# KiCad board JBX16SMD.kicad_pcb (continued)
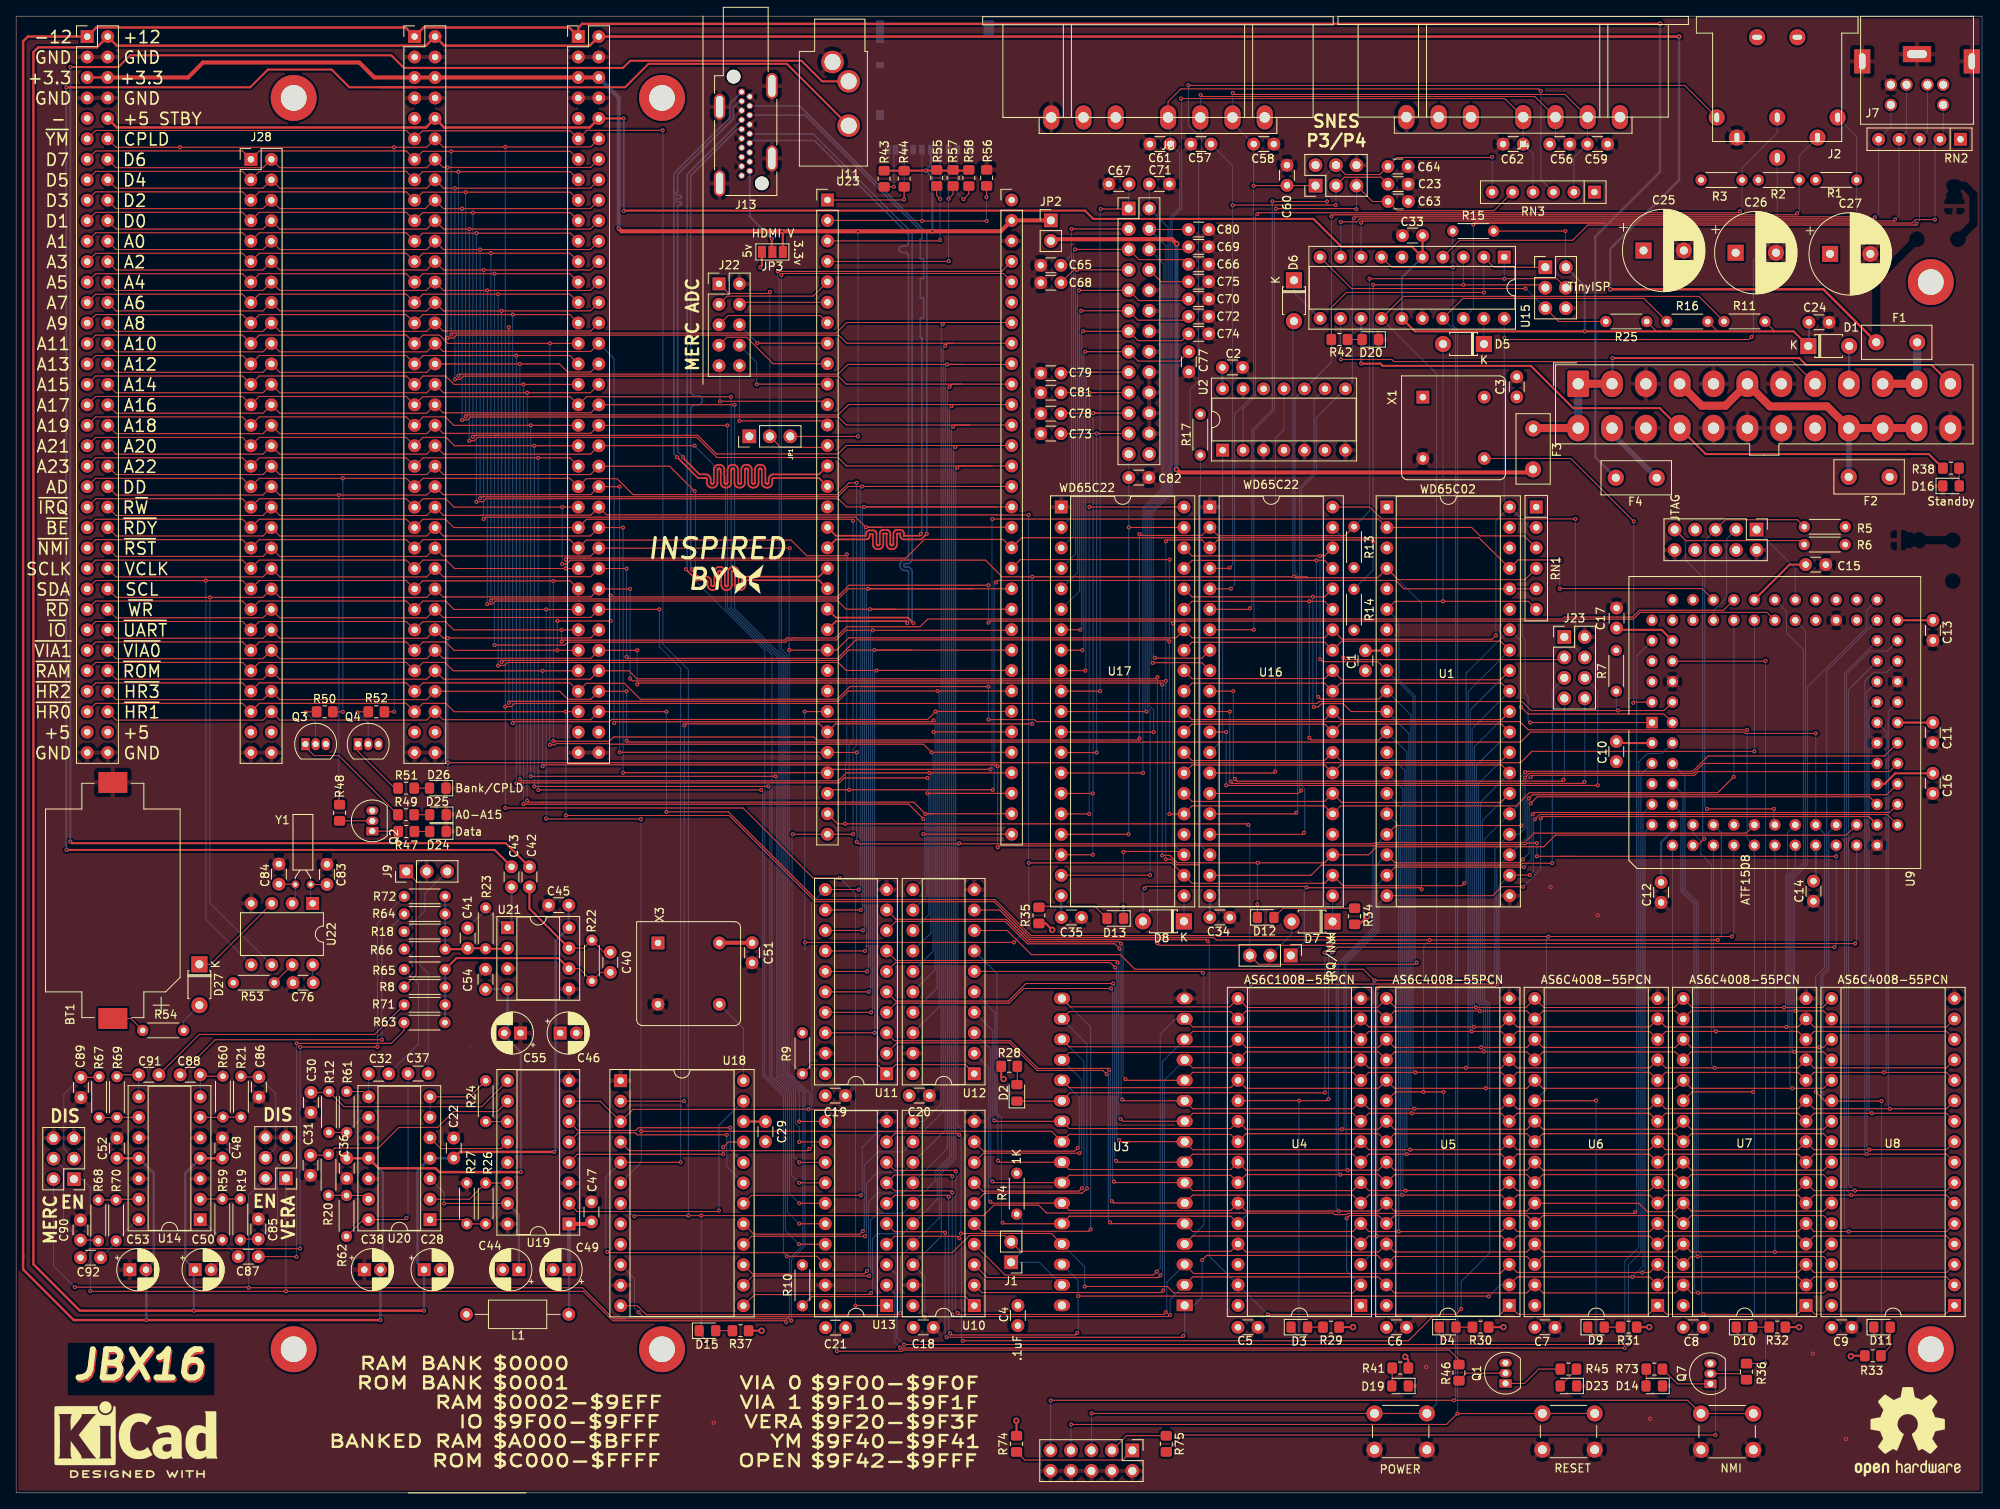
[diagram p0: board, top side]
## Routing (per net, layer and track width the routed paths; a pad name or vN(x,y) marks a point on that pad's centre or on a via; arc(x,y) is an arc through that point) (continued)
HIRA1: length 295
  Top w0.127: v1(196.1,48.71) 196.07,48.68 U6.22 ; D9.1 195.07,20.34 ; 195.07,20.34 195.07,20.64 ; 195.07,20.34 v1(196.1,19.31) ; 190.66,69.08 149.16,69.08 149.05,69.19 125.96,69.19 121.49,73.65 99.3,73.65 88.4,84.56 v1(80.72,84.56) ; 190.66,69.08 v1(190.19,69.08) ; 190.66,69.08 212.93,69.08 v1(212.95,69.1) ; v1(80.72,96.99) J21.68 71.33,95.99 52.99,95.99 J12.68 50.96,95.94 32.72,95.94 J28.56 30.64,95.94 12.41,95.94 J20.68
  Bottom w0.127: v1(212.95,69.1) 213.21,69.36 U9.18 ; v1(196.1,19.31) v1(196.1,48.71) ; v1(190.19,69.08) 189.93,68.82 189.93,50.1 U6.22 ; v1(80.72,96.99) v1(80.72,84.56)
HIRA2: length 303
  Top w0.127: v1(215.6,49.79) 208.03,49.79 U7.22 ; v1(120.69,100.1) 103.48,100.1 101.92,98.53 77.49,98.53 75.51,100.52 70.77,100.52 J21.65 68.74,100.57 50.5,100.57 J12.65 48.42,100.57 30.18,100.57 J28.53 28.1,100.57 9.87,100.57 J20.65 ; v1(214.26,19.18) 213.49,19.95 213.49,20.58 ; v1(214.86,94.73) 187.68,94.73 186.66,95.76 126.63,95.76 126.38,96 v1(120.69,96)
  Bottom w0.127: v1(214.26,19.18) 215.75,20.67 215.75,50.19 ; 215.75,50.19 215.75,49.94 v1(215.6,49.79) ; 215.75,50.19 215.75,80.39 U9.20 214.85,81.3 214.85,94.73 v1(214.86,94.73) ; v1(120.69,96) v1(120.69,100.1)
HIRA3: length 307.4
  Top w0.127: v1(223.38,49.79) 224.49,48.68 U8.22 225.38,48.65 v1(231.54,48.65) ; v1(75.77,93.39) 75.95,93.22 186.76,93.22 187.99,94.45 214.49,94.45 214.64,94.29 223.37,94.29 v1(223.37,94.3) ; v1(75.77,99.53) J21.66 71.33,98.53 68.45,98.53 67.46,99.53 J12.66 50.96,98.48 32.72,98.48 J28.54 30.64,98.48 12.41,98.48 J20.66 ; D11.1 230.57,19.76 v1(231.54,18.8)
  Bottom w0.127: v1(223.38,49.79) 223.36,49.81 223.36,64.14 224.45,65.24 224.45,81.86 U9.27 v1(223.37,94.3) ; v1(231.54,18.8) v1(231.54,48.65) ; v1(75.77,93.39) v1(75.77,99.53)
iecATN: length 103.7
  Top w0.127: v1(213.95,159.12) 213.76,158.93 154.21,158.93 v1(154.05,158.77)
  Bottom w0.127: v1(213.95,159.12) 214.22,159.39 R3.2 214.22,164.5 218.59,168.87 J2.3 ; U2.2 152.29,134.6 153.84,136.15 153.84,158.57 v1(154.05,158.77)
IECATTO: length 38.2
  Bottom w0.127: U2.1 149.75,93.51 U16.13
IECCLKI: length 155.3
  Top w0.127: v1(163.26,158.49) 163.45,158.68 220.88,158.68 v1(221.07,158.86) ; v1(158.9,84.45) 158.75,84.3 U16.16
  Bottom w0.127: v1(163.26,158.49) 163.26,140.42 U2.10 158.73,135.89 158.73,114.33 159.06,114 159.06,84.61 v1(158.9,84.45) ; v1(221.07,158.86) 221.32,159.12 221.32,162.99 R2.2 221.32,166 J2.4
IECCLKO: length 56.2
  Top w0.127: v1(156.28,89.55) 156.11,89.38 148.17,89.38 U16.14
  Bottom w0.127: U2.11 157.37,132 156.31,130.94 156.31,89.58 v1(156.28,89.55)
IECDATI: length 166.5
  Top w0.127: v1(166.05,158.24) 166.24,158.42 227.96,158.42 v1(228.14,158.6) ; v1(159.85,81.96) 159.65,81.76 148.17,81.76 U16.17
  Bottom w0.127: v1(228.14,158.6) 228.45,158.91 R1.2 228.45,168.4 J2.5 ; v1(159.85,81.96) 159.94,82.05 159.94,87.4 159.57,87.77 159.57,124.74 161.41,126.58 161.41,127.77 161.37,127.81 161.37,133.44 U2.8 165.85,137.93 165.85,158.03 v1(166.05,158.24)
IECDATO: length 62.7
  Top w0.127: U16.15 159.15,86.84 v1(159.5,87.2)
  Bottom w0.127: U2.9 161.11,135.73 161.11,126.64 159.32,124.85 159.32,87.38 v1(159.5,87.2)
IECSRQ: length 165
  Top w0.127: J2.1 207.1,174.75 v1(145.51,174.75)
  Bottom w0.127: U16.18 146.98,80.4 R17.2 145.71,130.11 145.71,136.95 146.78,138.02 146.78,165.09 147.13,165.45 147.13,168.14 145.51,169.77 v1(145.51,174.75)
IOEN: length 213.2
  Top w0.127: J20.59 9.87,108.19 28.1,108.19 J28.47 30.18,108.19 48.42,108.19 J12.59 50.47,108.16 53.3,108.16 54.32,107.15 J21.59 ; U9.68 211.91,109.58 201.48,109.58 200.64,108.74 198.73,108.74 198.72,108.74 192.17,108.74 191.92,108.49 187.02,108.49 ; 187.02,108.49 113.15,108.49 112.19,107.53 103.07,107.53 101.67,106.14 95.67,106.14 95.4,105.87 67.87,105.87 v1(67.7,105.7) ; 187.02,108.49 186.45,108.49
  Bottom w0.127: v1(67.7,105.7) v1(67.7,107.14)
IRQ: length 435.3
  Top w0.127: v1(174.46,74.94) 174.27,75.13 160.21,75.13 v1(160.17,75.17) 160.04,75.3 140.3,75.3 v1(140.06,75.05) ; U18.2 75.04,48.63 v1(82.92,48.63) ; J20.47 9.87,123.43 28.1,123.43 J28.35 30.18,123.43 48.42,123.43 J12.47 50.5,123.43 53.32,123.43 54.36,122.39 v1(67.79,122.39) J21.47 ; 160.33,113.61 168.97,113.61 U1.4 171.55,113.37 187.27,113.37 RN1.4 ; 160.33,113.61 158.82,113.61 v1(158.62,113.81) ; 160.33,113.61 160.21,113.73 v1(126.13,113.73) 122.38,113.73 120.31,115.8 68.81,115.8 68.33,115.32 v1(67.78,115.32) ; v1(126.12,95.48) 101.71,95.48 U23.27 99.7,95.48 83.13,95.48 v1(82.95,95.29)
  Bottom w0.127: v1(82.95,95.29) 82.94,95.28 82.94,71.13 82.92,71.12 v1(82.92,48.63) ; 159.89,69.02 159.89,69.85 ; 159.89,69.85 159.89,68.41 J6.1 ; 159.89,69.85 159.89,74.89 v1(160.17,75.17) ; D8.2 139.86,74.86 v1(140.06,75.05) ; D6.2 158.48,145.34 158.48,113.96 v1(158.62,113.81) ; v1(126.12,95.48) 126.12,95.79 126.12,95.79 126.12,113.73 v1(126.13,113.73) ; v1(67.79,122.39) 67.78,122.38 v1(67.78,115.32) ; v1(174.46,74.94) 174.46,110.46 U1.4
KBCLK: length 100.8
  Top w0.127: 197.24,157.66 181.06,157.66 v1(180.88,157.47) ; 197.24,157.66 235.33,157.66 235.75,158.08 v1(238.16,158.08) ; 197.24,157.66 180.87,157.66
  Bottom w0.127: J7.6 239.19,168.45 RN2.2 238.16,167.42 v1(238.16,158.08) ; v1(180.88,157.47) 180.88,147.06 U15.18
KBDAT: length 78.3
  Top w0.127: v1(235.86,157.57) 235.69,157.4 195.09,157.4 193.2,155.51 179.17,155.51 U15.4
  Bottom w0.127: v1(235.86,157.57) 236.25,157.96 RN2.3 237.24,169.04 J7.2
MERC_L: length 13.8
  Top w0.127: R67.2 10.21,51.59 C89.1
  Bottom w0.127: C89.1 5.91,49.46 5.91,42.77 J10.3
MERC_R: length 13.7
  Top w0.127: R68.2 10.1,31.39 C90.1
  Bottom w0.127: J10.4 5.88,40.25 5.88,33.5 C90.1
MSCLK: length 85.7
  Top w0.127: v1(230.7,158.35) 230.52,158.16 181.45,158.16 181.44,158.17 166.78,158.17 166.41,157.8 164.43,157.8 v1(164.42,157.8)
  Bottom w0.127: J7.5 232.69,169.57 RN2.5 231.17,158.82 v1(230.7,158.35) ; U15.9 164.42,153.46 v1(164.42,157.8)
MSDAT: length 88
  Top w0.127: v1(166.94,157.7) 167.15,157.91 181.34,157.91 181.34,157.91 233.01,157.91 v1(233.2,158.1)
  Bottom w0.127: v1(166.94,157.7) 166.94,153.44 U15.8 ; v1(233.2,158.1) 233.71,158.61 RN2.4 234.64,168.98 J7.1
NDESDAT0: length 139.9
  Top w0.127: v1(141.07,103.05) 141.09,103.07 147.17,103.07 U16.9 ; v1(189.25,174.06) 189,174.31 144.57,174.31 142.98,172.72 J8.4
  Bottom w0.127: v1(141.07,103.05) 140.88,103.23 140.88,121.89 143.23,124.24 143.23,158.38 144.41,159.56 144.41,166.26 C61.1 143.22,170.53 J8.4 143.23,170.52 ; v1(189.25,174.06) 189.25,163.05 RN3.3
NDESDAT1: length 131.5
  Top w0.127: U16.8 147.17,103.63 141.37,103.63 v1(141.32,103.68) ; v1(144.58,173.11) 184.76,173.11 J4.4
  Bottom w0.127: v1(141.32,103.68) 141.32,103.72 141.14,103.9 141.14,121.78 143.48,124.13 143.48,158.27 144.67,159.45 144.67,173.02 v1(144.58,173.11) ; J4.4 187.06,170.8 C62.1 188.27,166.24 RN3.4
NDESDAT2: length 93.5
  Top w0.127: U16.7 153.6,107.16 v1(153.61,107.17) ; RN3.5 183.43,159.18 171.44,159.18 C63.1 168.34,160.33 J18.5 ; v1(156.36,159.45) 166.28,159.45 v1(166.36,159.37)
  Bottom w0.127: v1(156.36,159.45) 156.17,159.26 156.17,134.45 153.63,131.91 153.63,107.19 v1(153.61,107.17) ; J18.5 166.36,159.38 v1(166.36,159.37)
NDESDAT3: length 93.7
  Top w0.127: U16.6 153,109.7 v1(153.13,109.83) ; v1(162.72,160.33) 155.93,160.33 v1(155.92,160.34) ; v1(183.21,165.87) 183.14,165.8 171.39,165.8 C64.1 169.27,163.68 164.99,163.68 J18.4
  Bottom w0.127: v1(153.13,109.83) 153.38,110.08 153.38,132.02 155.92,134.56 v1(155.92,160.34) ; J18.4 163.82,164.84 162.68,163.69 162.68,160.37 v1(162.72,160.33) ; v1(183.21,165.87) 183.21,161.51 RN3.6
NESCLK: length 129.5
  Top w0.127: v1(151.01,173.8) 151.2,173.62 192.26,173.62 J4.2 ; v1(153.59,162.29) 153.6,162.3 J18.1 ; v1(150.77,112.26) 150.75,112.24 U16.5
  Bottom w0.127: v1(150.77,112.26) 151.24,112.73 151.24,133.93 153.59,136.28 v1(153.59,162.29) 153.61,162.31 C58.1 150.98,170.08 J8.2 151.01,170.8 v1(151.01,173.8) ; RN3.2 193.35,165.77 C59.1 195.04,170.78 J4.2
NESLATCH: length 134.4
  Top w0.127: U16.4 150.55,114.78 v1(150.62,114.86) ; C23.1 169.42,163.34 164.86,163.34 J18.3 ; J4.3 188.51,173.36 147.21,173.36 v1(147.01,173.56) ; v1(150.99,159.86) 151.02,159.89 v1(163.81,159.89)
  Bottom w0.127: J4.3 191.06,168.17 C56.1 ; v1(163.81,159.89) 163.82,159.9 J18.3 ; v1(147.01,173.56) 147.01,170.8 J8.3 146.98,168.79 C57.1 150.99,164.78 v1(150.99,159.86) 150.99,115.22 v1(150.62,114.86)
NMI: length 319.3
  Top w0.127: J6.3 154.22,65.63 155.58,65.63 ; 155.58,65.63 173.62,65.63 v1(173.83,65.83) ; 155.58,65.63 155.07,65.63 ; v1(152.95,82.94) 152.84,83.06 v1(102.9,83.06) 101.96,83.06 U23.31 ; 188.67,109.6 188.68,109.6 ; v1(103.11,116.51) 102.96,116.51 102.8,116.35 98.14,116.35 96.19,118.3 70.77,118.3 J21.51 68.74,118.35 50.5,118.35 J12.51 48.42,118.35 30.18,118.35 J28.39 28.1,118.35 9.87,118.35 J20.51 ; U1.6 171.13,110.69 v1(177.12,110.69) 187.69,110.69 RN1.6
  Bottom w0.127: J6.3 153.13,82.77 v1(152.95,82.94) ; U1.6 171.62,108.22 171.62,100.96 173.64,98.94 173.64,66.02 v1(173.83,65.83) ; v1(102.9,83.06) 102.94,83.1 102.94,90.65 103.11,90.81 v1(103.11,116.51) ; v1(177.12,110.69) 177.11,110.7 D5.2
NMIBTN: length 259.8
  Top w0.127: U15.17 179.58,148.3 202.02,148.3 R16.1 ; SW3.1 SW3.1 207.47,11.5 v1(178.48,11.5) 128.44,11.5 v1(128.41,11.47)
  Bottom w0.127: v1(178.48,11.5) 178.67,11.69 178.67,20.74 ; 178.67,20.74 178.67,144.23 U15.17 ; 178.67,20.74 178.67,20.1 ; J15.9 128.41,5.3 v1(128.41,11.47)
PWRBTN: length 230.4
  Top w0.127: v1(133.49,9.87) 133.5,9.87 SW1.1 SW1.1 ; U15.14 172.21,148.55 208.87,148.55 R11.1
  Bottom w0.127: v1(133.49,9.87) 133.49,5.3 J15.5 ; U15.14 176.31,138.97 176.31,11.07 SW1.1
PWROK: length 65.3
  Top w0.127: v1(164.42,140.72) 170.74,140.72 171.01,140.45 220.53,140.45 J19.8 ; U15.12 164.39,145.77
  Bottom w0.127: U15.12 164.42,145.78 v1(164.42,140.72)
PWRON: length 83.2
  Top w0.254: R38.1 237.4,128.97 209.71,128.97 J19.16 204.01,134.67 193.26,134.67 188.02,139.92 169.62,139.92 169.34,140.2 166.97,140.2 v1(166.96,140.21)
  Bottom w0.254: U15.13 166.96,145.78 v1(166.96,140.21)
RAEN: length 385.8
  Top w0.127: v1(225.91,79.04) 193.43,79.04 ; 193.43,79.04 191.67,79.04 ; 193.43,79.04 v1(188.75,79.04) ; v1(162.89,48.91) 162.68,48.69 v1(159.25,48.69) 151.68,48.69 U4.22 ; v1(121.83,80.14) 122.02,80.33 168.62,80.33 168.77,80.48 187.34,80.48 187.54,80.68 v1(188.75,80.68) ; v1(225.68,67.75) 225.67,67.74 164,67.74 v1(163.36,67.11) ; D3.1 158.24,20.34 v1(159.21,19.37) ; J21.63 v1(65.35,102.07) 54.27,102.07 53.23,103.11 50.5,103.11 J12.63 48.42,103.11 30.18,103.11 J28.51 28.1,103.11 9.87,103.11 J20.63 ; v1(121.82,90.21) 121.65,90.39 65.52,90.39 v1(65.35,90.21)
  Bottom w0.127: v1(159.21,19.37) 159.21,48.65 v1(159.25,48.69) ; v1(65.35,102.07) v1(65.35,90.21) ; v1(121.82,90.21) 121.83,90.2 v1(121.83,80.14) ; v1(163.36,67.11) 162.89,66.64 v1(162.89,48.91) ; U9.28 v1(225.91,79.04) 225.91,67.98 v1(225.68,67.75) ; v1(188.75,79.04) v1(188.75,80.68)
RD#: length 340.4
  Top w0.127: v1(65.78,83.71) 65.83,83.66 77.55,83.66 v1(77.56,83.65) ; v1(77.59,44.89) 128.51,44.89 129.8,43.6 U3.24 130.71,44.51 150.76,44.51 U4.24 152.66,44.59 169.1,44.59 U5.24 171.08,44.59 187.52,44.59 U6.24 189.5,44.59 205.94,44.59 U7.24 207.92,44.59 224.36,44.59 U8.24 ; J20.57 9.87,110.73 28.1,110.73 J28.45 30.18,110.73 48.42,110.73 J12.57 50.5,110.73 53.31,110.73 54.36,109.69 v1(65.8,109.69) J21.57
  Bottom w0.127: U18.6 77.59,41.03 77.59,44.89 v1(77.59,44.89) 77.56,44.93 v1(77.56,83.65) ; v1(65.78,83.71) 65.8,83.74 v1(65.8,109.69) ; U9.29 224.99,82.01 224.99,64.93 224.27,64.21 224.27,44.67 U8.24
RDY: length 242.9
  Top w0.127: v1(75.33,119.84) 75.33,119.85 J21.50 71.28,118.8 53.04,118.8 J12.50 50.96,118.8 32.72,118.8 J28.38 30.64,118.8 12.41,118.8 J20.50 ; v1(120.94,89.83) 101.14,89.83 U23.29 100.69,89.41 v1(75.34,89.41) ; RN1.3 187.19,118.81 181.7,118.81 180.66,119.86 U1.2 169.09,120.91 v1(121.17,120.91)
  Bottom w0.127: v1(75.34,89.41) 75.33,89.42 v1(75.33,119.84) ; v1(121.17,120.91) 121.13,120.86 121.13,90.02 v1(120.94,89.83)
ROEN: length 323.1
  Top w0.127: J20.64 12.41,101.02 30.64,101.02 J28.52 32.72,101.02 50.96,101.02 J12.64 53.04,101.02 71.28,101.02 J21.64 76.06,102.07 77.06,101.07 141.47,101.07 v1(141.66,101.25) ; v1(162.45,49.71) 162.41,49.67 130.79,49.67 U3.22 129.76,48.64 D2.1 ; 163.52,68.2 v1(162.41,67.08) ; 163.52,68.2 228.26,68.2 v1(228.26,68.2) ; 163.52,68.2 163.31,67.99 141.91,67.99 v1(141.66,68.24)
  Bottom w0.127: v1(162.45,49.71) 162.45,67.04 v1(162.41,67.08) ; v1(228.26,68.2) 228.45,68.39 U9.30 ; v1(141.66,101.25) v1(141.66,68.24)
RST: length 534.6
  Top w0.127: v1(101.61,47.63) 101.61,47.62 v1(98.34,47.62) 76.55,47.62 U18.3 72.5,48.63 U19.7 ; U9.1 v1(187.91,95.64) ; v1(101.87,17.59) 109.92,17.59 110.06,17.73 177.89,17.73 179.08,16.53 R46.1 ; v1(184.71,143.41) 184.93,143.19 215.09,143.19 v1(215.41,143.52) ; v1(95.96,104.64) U23.23 101.84,104.64 103.35,106.15 143.95,106.15 U17.34 145.95,106.17 162.41,106.17 U16.34 164.57,105.99 183.19,105.99 v1(183.66,106.47) ; J20.52 12.41,116.26 30.64,116.26 J28.40 32.72,116.26 50.96,116.26 J12.52 52.99,116.31 71.33,116.31 J21.52 72.34,117.29 v1(96.02,117.29)
  Bottom w0.127: v1(183.66,106.47) 183.66,120.68 U1.40 ; J2.6 218.59,156.07 215.63,153.12 215.63,143.74 v1(215.41,143.52) ; 95.96,104.94 v1(95.96,104.64) 95.96,52.12 98.53,49.55 98.53,47.81 v1(98.34,47.62) ; 95.96,104.94 95.96,105.24 ; 95.96,104.94 95.96,104.95 ; v1(101.61,47.63) 101.68,47.57 101.68,17.79 v1(101.87,17.59) ; v1(96.02,117.29) 95.96,117.23 95.96,104.95 ; U1.40 187.92,119.86 RN1.2 ; U1.40 184.71,123.07 184.71,143.58 ; U1.40 186.93,120.85 186.93,106.33 187.29,105.96 187.29,99.27 187.67,98.9 187.67,95.89 v1(187.91,95.64) ; 184.71,143.58 184.71,143.42 v1(184.71,143.41) ; 184.71,143.58 U15.20 ; 95.96,104.95 95.96,105.44
RSTBTN: length 225.2
  Top w0.127: SW2.1 SW2.1 189.42,9.85 v1(178.89,9.85) 177.55,8.5 v1(130.95,8.5) ; U15.7 170.73,152.16 v1(178.32,152.16)
  Bottom w0.127: v1(130.95,8.5) 130.93,8.48 J15.7 ; R15.1 v1(178.32,152.16) 178.32,144.93 178.92,144.33 178.92,9.88 v1(178.89,9.85)
RWB: length 350.1
  Top w0.127: J20.48 12.41,121.34 30.64,121.34 J28.36 32.72,121.34 50.96,121.34 J12.48 53.03,121.36 57.83,121.36 57.86,121.39 71.33,121.39 J21.48 73.28,121.43 121.66,121.43 121.67,121.41 v1(125.68,121.41) ; v1(179.75,75.69) 179.45,75.39 164.7,75.39 U16.22 162.41,75.68 145.96,75.68 U17.22 143.42,78.22 v1(125.69,78.22) ; v1(97.92,68.33) 97.94,68.35 v1(123.84,68.35) ; U9.2 204.53,96.7 187.66,96.7 v1(186.79,97.57) ; v1(97.88,97) 100.68,97 U23.26
  Bottom w0.127: v1(123.84,68.35) 125.69,70.19 v1(125.69,78.22) 125.66,78.25 125.66,121.4 v1(125.68,121.41) ; v1(97.92,68.33) 97.9,68.31 97.9,67.46 97.88,67.48 v1(97.88,97) ; v1(179.75,75.69) 179.97,75.91 179.97,101.75 U1.34 186.79,105.75 v1(186.79,97.57)
RXB: length 0.1
  Bottom w0.127: 56.43,55.41 56.33,55.31
SCL: length 329
  Top w0.127: v1(76.21,101.1) 76.5,100.81 v1(142.7,100.81) ; v1(142.7,78.66) 143.34,78.66 144.03,77.98 146.87,77.98 ; v1(76.21,112.23) 76.21,112.23 J21.56 71.33,111.23 52.99,111.23 J12.56 50.96,111.18 32.72,111.18 J28.44 30.64,111.18 v1(24.06,111.18) 12.41,111.18 J20.56 ; v1(168.43,118.09) 168.2,118.31 149.15,118.31 U16.3 147.17,118.31 142.87,118.31 v1(142.7,118.14) ; J5.3 189.46,149.98 v1(179.64,149.98) v1(168.43,149.98)
  Bottom w0.127: v1(76.21,101.1) v1(76.21,112.23) ; 142.7,100.16 v1(142.7,100.81) ; 142.7,100.16 v1(142.7,118.14) ; 142.7,100.16 142.7,78.66 v1(142.7,78.66) ; v1(24.06,111.18) 24.06,73.23 U22.6 ; U15.3 179.63,150 v1(179.64,149.98) ; v1(168.43,149.98) v1(168.43,118.09) 168.43,114.56 R14.1
sCLK: length 215.2
  Top w0.127: v1(191.6,112.27) 209.28,112.27 U9.70 ; J20.53 9.87,115.81 28.1,115.81 J28.41 30.18,115.81 48.42,115.81 J12.53 50.5,115.81 53.37,115.81 54.41,114.77 v1(68.22,114.77) J21.53 ; v1(191.6,115.77) 191.54,115.83 186.43,115.83 U1.37 181.57,118.59 124.81,118.59 U23.47 122.52,118.38 112.75,118.38 110.43,116.06 70.51,116.06 70.51,116.06 68.41,116.06 v1(68.23,115.87)
  Bottom w0.127: v1(68.22,114.77) 68.22,115.87 v1(68.23,115.87) ; v1(191.6,112.27) v1(191.6,115.77)
SD_MISO: length 17.3
  Top w0.127: R44.2 v1(110.23,160.57) 110.17,160.52 U23.1
  Bottom w0.127: J16.7 110.23,166.76 v1(110.23,160.57)
SD_MOSI: length 27.1
  Top w0.127: R55.2 114.26,161.08 v1(114.7,160.65) ; v1(114.7,155.54) 114.59,155.44 U23.3
  Bottom w0.127: J16.3 114.7,166.71 v1(114.7,160.65) v1(114.7,155.54)
SD_SCK: length 33
  Top w0.127: U23.2 112.36,157.98 v1(112.44,157.9) v1(120.46,157.9) ; v1(120.44,160.85) 120.46,160.88 R56.1
  Bottom w0.127: v1(112.44,157.9) J16.5 ; v1(120.46,157.9) 120.44,157.93 v1(120.44,160.85)
SD_SSEL: length 30.7
  Top w0.127: v1(115.74,152.93) 115.71,152.9 U23.4 ; v1(115.74,160.67) 116.3,161.23 R57.2
  Bottom w0.127: v1(115.74,152.93) v1(115.74,160.67) 115.74,166.76 J16.2
SDA: length 319.1
  Top w0.127: U16.2 149.18,118.84 164.94,118.84 R13.1 ; U16.2 148.18,119.88 ; U16.2 147.17,118.87 139.58,118.87 v1(139.43,119.03) ; J21.55 68.77,113.23 50.47,113.23 J12.55 48.42,113.27 30.18,113.27 J28.43 28.1,113.27 v1(23.52,113.27) 9.87,113.27 J20.55 ; v1(66.69,93.32) 73.63,93.32 74.15,93.85 99,93.85 99.38,93.47 139.24,93.47 v1(139.43,93.66) ; J5.4 191.24,150.74 v1(184.72,150.74) v1(167.98,150.74)
  Bottom w0.127: R13.1 167.98,121.89 v1(167.98,150.74) ; v1(23.52,113.27) 23.56,113.23 23.56,71.19 U22.5 ; U15.1 184.71,150.76 v1(184.72,150.74) ; v1(66.69,113.22) v1(66.69,93.32) ; v1(139.43,119.03) v1(139.43,93.66)
SRLEN: length 260.6
  Top w0.127: 62.61,90.65 186.73,90.65 188.14,92.06 215.75,92.06 v1(215.75,92.07) ; 62.61,90.65 62.22,90.65 62.19,90.68 ; 62.61,90.65 v1(53.61,90.65) ; J21.60 71.31,106.14 v1(53.59,106.14) 53.01,106.14 J12.60 50.96,106.1 32.72,106.1 J28.48 30.64,106.1 12.41,106.1 J20.60
  Bottom w0.127: 53.59,91.46 v1(53.59,106.14) ; 53.59,91.46 53.59,90.67 v1(53.61,90.65) 53.59,90.63 53.59,89.99 53.59,91.46 ; U9.67 215.75,92.07 v1(215.75,92.07)
TCK: length 10.7
  Bottom w0.127: J3.1 220.83,114.79 U9.62
TDI: length 58.5
  Top w0.127: U9.14 208.72,80.4 v1(209.54,81.22) ; R6.2 221.46,118.23 207.23,118.23 J3.9
  Bottom w0.127: J3.9 207.18,118.28 207.18,115.83 209.34,113.67 209.34,81.42 v1(209.54,81.22)
TDO: length 12.4
  Bottom w0.127: U9.71 210.67,109.54 212.31,111.19 212.31,118.43 J3.3
TMS: length 57.6
  Top w0.127: v1(209.87,84.92) v1(218.19,84.92) ; J3.5 212.16,120.82 221.09,120.82 R5.2
  Bottom w0.127: J3.5 209.59,118.25 209.59,85.2 v1(209.87,84.92) ; v1(218.19,84.92) 218.19,83.05 U9.23
TNYRST: length 38.8
  Top w0.127: R25.2 191.47,145.43 J5.5 ; v1(187.34,149.52) 165.75,149.52 U15.10
  Bottom w0.127: v1(187.34,149.52) 187.38,149.52 J5.5
UA16: length 196.1
  Top w0.127: v1(165.14,34.09) 165.48,34.43 169.1,34.43 U5.28 171.08,34.43 187.52,34.43 U6.28 189.5,34.43 205.94,34.43 U7.28 207.92,34.43 224.36,34.43 U8.28 ; U4.2 165.92,24.83 143.69,24.83 142.9,25.62 v1(132.63,25.62) ; U13.9 109.12,44.64 116.89,44.64 v1(117.07,44.45) ; v1(117.28,32.21) 128.49,32.21 U3.29
  Bottom w0.127: v1(117.28,32.21) 117.28,44.25 v1(117.07,44.45) ; v1(132.63,25.62) 132.63,28.07 129.8,30.89 U3.29 ; U7.28 205.59,34.77 U9.12 ; U4.2 165.14,27.59 v1(165.14,34.09)
UA17: length 214.7
  Top w0.127: U3.3 146.16,27.24 184.21,27.24 U5.3 186.32,27.37 v1(201.84,27.37) 202.76,27.37 U6.3 204.74,27.37 221.18,27.37 U7.3 223.16,27.37 239.6,27.37 U8.3 ; v1(142.72,22.44) 142.43,22.16 117.04,22.16 v1(116.86,22.33) ; v1(116.63,39.93) 116.51,40.04 109.04,40.04 U13.8
  Bottom w0.127: U3.3 142.82,26.14 142.82,22.55 v1(142.72,22.44) ; v1(116.63,39.93) 116.63,31.83 116.61,31.81 116.61,22.58 v1(116.86,22.33) ; U9.11 202.17,82.06 202.17,27.7 v1(201.84,27.37)
UA18: length 211.7
  Top w0.127: v1(116.19,39.3) 116.01,39.48 109.04,39.48 U13.7 109.04,37.5 115.99,37.5 v1(116.19,37.3) ; v1(116.21,22.14) 116.46,21.89 143.04,21.89 v1(143.24,22.09) ; U8.31 224.36,24.83 v1(208.78,24.83) 207.92,24.83 U7.31 205.94,24.83 189.5,24.83 U6.31 187.52,24.83 171.08,24.83 U5.31 169.1,26.81 146.03,26.81 U3.2
  Bottom w0.127: U9.10 206.62,84.45 206.62,74.72 208.27,73.07 208.27,25.33 v1(208.78,24.83) ; U3.2 143.24,24.02 v1(143.24,22.09) ; v1(116.21,22.14) 116.19,22.16 v1(116.19,37.3) v1(116.19,39.3)
UA19: length 222.1
  Top w0.127: v1(131.71,19.86) 131.46,19.61 116.12,19.61 v1(115.94,19.79) ; U5.2 186.32,26.81 v1(200.6,26.81) 202.76,26.81 U6.2 204.74,26.81 221.18,26.81 U7.2 223.16,26.81 239.6,26.81 U8.2 ; v1(115.75,36.78) 115.58,36.94 109.04,36.94 U13.6 ; v1(131.82,24.43) 182.73,24.43 v1(182.77,24.39)
  Bottom w0.127: U9.9 201.91,84.34 201.91,28.13 v1(200.6,26.81) ; v1(131.71,19.86) 131.82,19.97 v1(131.82,24.43) 131.82,26.34 U3.30 ; v1(115.75,36.78) 115.75,19.98 v1(115.94,19.79) ; U5.2 184.2,25.82 v1(182.77,24.39)
UA20: length 202.5
  Top w0.127: U8.30 224.36,29.35 207.92,29.35 U7.30 205.94,29.35 189.5,29.35 U6.30 187.52,29.35 171.08,29.35 U5.30 168.97,29.48 147.78,29.48 v1(147.21,28.91) ; v1(144.89,19.5) 144.71,19.33 v1(115.49,19.33) ; U13.5 109.04,32.42 115.19,32.42 v1(115.31,32.31)
  Bottom w0.127: v1(115.31,32.31) 115.31,19.51 v1(115.49,19.33) ; v1(208.71,29.35) 208.53,29.54 208.53,73.17 206.87,74.83 206.87,86.74 U9.8 ; v1(147.21,28.91) 147.21,24.32 146.17,23.28 U3.1 145.04,19.66 v1(144.89,19.5)
UA21: length 220.1
  Top w0.127: U13.4 109.04,31.86 116.82,31.86 v1(117.07,31.62) ; v1(117.49,18.89) 172.82,18.89 175.84,21.91 183.95,21.91 U5.1 186.44,22.16 202.63,22.16 U6.1 204.86,22.16 v1(209.47,22.16) 221.05,22.16 U7.1 223.28,22.16 239.47,22.16 U8.1
  Bottom w0.127: v1(209.47,22.16) 209.22,22.42 209.22,29.54 208.78,29.98 208.78,73.28 207.13,74.93 207.13,89.02 U9.6 ; v1(117.49,18.89) 117.32,19.06 117.32,31.37 v1(117.07,31.62)
UA22: length 174.1
  Top w0.127: v1(200.12,18.42) v1(110.22,18.42)
  Bottom w0.127: U13.3 109.32,27.06 109.32,19.33 v1(110.22,18.42) ; U9.5 201.66,89.17 201.66,29.82 200.12,28.27 v1(200.12,18.42)
UA23: length 177.1
  Top w0.127: v1(109.71,18.03) 109.76,17.98 v1(199.67,17.98)
  Bottom w0.127: v1(199.67,17.98) 199.67,28.76 201.41,30.5 201.41,90.74 202.47,91.8 204.3,91.8 U9.4 ; U13.2 109.07,24.78 109.07,18.68 v1(109.71,18.03)
vCLK: length 291.2
  Top w0.127: v1(75.77,114.75) 75.76,114.77 J21.54 71.3,113.75 53.02,113.75 J12.54 50.96,113.72 32.72,113.72 J28.42 30.64,113.72 12.41,113.72 J20.54 ; v1(143.14,105.71) 142.95,105.9 104.24,105.9 103.3,104.96 ; 103.3,104.96 103.42,105.08 ; 103.3,104.96 101.95,103.61 75.95,103.61 75.77,103.78 v1(75.77,103.8) ; v1(143.17,115.87) 124.64,115.87 U23.46 ; v1(143.14,84.28) 144.94,84.28 U17.25 145.95,85.29 162.41,85.29 U16.25 164.39,85.29 186.17,85.29 187.81,86.93 211.22,86.93 v1(213.19,88.9)
  Bottom w0.127: v1(213.19,88.9) 213.21,88.92 U9.69 ; 143.14,105 v1(143.14,84.28) ; 143.14,105 v1(143.14,105.71) ; 143.14,105 143.14,115.84 v1(143.17,115.87) ; v1(75.77,114.75) v1(75.77,103.8)
vDACL: length 279.5
  Top w0.127: v1(95.6,21.18) 95.41,21.36 74.05,21.36 70.38,25.03 v1(33.49,25.03) 9.24,25.03 v1(9.21,25.06) ; U23.61 122.32,151.65 94.54,151.65 v1(94.54,151.65)
  Bottom w0.127: v1(9.21,25.06) 9.21,37.9 8.15,38.96 J10.1 ; v1(94.54,151.65) 94.54,150.88 94.72,150.7 94.72,104.61 95.45,103.87 95.45,51.91 97.65,49.71 97.65,30.73 95.98,29.06 95.98,21.96 95.6,21.58 v1(95.6,21.18) ; v1(33.49,25.03) J14.1
vDACR: length 281.9
  Top w0.127: U23.60 122.52,151.4 95.17,151.4 v1(94.98,151.21) ; 75.61,21.62 74.15,21.62 ; 75.61,21.62 96,21.62 v1(96.23,21.38) ; 75.61,21.62 74.15,21.62 ; 74.15,21.62 70.3,25.47 v1(28.87,25.47) 28.84,25.47 28.77,25.55 v1(7.28,25.55)
  Bottom w0.127: v1(7.28,25.55) 4.64,28.19 J10.2 ; v1(28.87,25.47) 28.87,36.98 J14.2 ; v1(96.23,21.38) 96.23,28.96 97.9,30.63 97.9,49.82 95.7,52.02 95.7,104.05 94.98,104.77 v1(94.98,151.21)
VERA_L: length 13.8
  Top w0.127: C85.1 27.93,31.51 R19.2
  Bottom w0.127: J14.3 32.45,40.56 32.45,33.9 C85.1
VERA_R: length 13.7
  Top w0.127: R21.2 28.01,51.63 C86.1
  Bottom w0.127: J14.4 32.22,42.87 32.22,49.55 C86.1
VIA0EN: length 254.4
  Top w0.127: J20.62 12.41,103.56 30.64,103.56 J28.50 32.72,103.56 50.96,103.56 J12.62 52.99,103.61 71.33,103.61 J21.62 77.09,104.61 v1(77.09,104.61) ; v1(142.26,100.35) 142.06,100.55 123.09,100.55 123.09,100.54 101.18,100.54 101.18,100.55 77.27,100.55 v1(77.09,100.37) ; U9.31 227.17,81.66 191.05,81.66 189.61,80.22 168.87,80.22 167.87,79.22 U16.23 162.4,78.22 v1(154.11,78.22) 146.98,78.22 146.97,78.23 144.13,78.23 143.22,79.14 v1(142.26,79.14) 142.24,79.13 ; D12.1 v1(154.07,73.09)
  Bottom w0.127: v1(154.07,73.09) 154.07,78.17 v1(154.11,78.22) ; v1(142.26,100.35) v1(142.26,79.14) ; v1(77.09,104.61) v1(77.09,100.37)
VIA1EN: length 274.6
  Top w0.127: J20.61 9.87,105.65 28.1,105.65 J28.49 30.18,105.65 48.42,105.65 J12.61 50.5,105.65 53.32,105.65 54.36,104.61 v1(67.17,104.61) J21.61 ; v1(67.17,108.25) v1(73.78,108.25) ; 145.01,108.23 192.09,108.23 192.34,108.48 200.74,108.48 201.58,109.32 217.31,109.32 U9.65 ; 145.01,108.23 122.87,108.23 122.87,108.23 120.87,108.23 v1(120.69,108.05) ; 145.01,108.23 143.87,108.23 v1(143.58,107.94) ; v1(120.69,112.69) 103.39,112.69 101.93,111.23 73.97,111.23 v1(73.78,111.42) ; 137.45,71.32 137.45,72.76 v1(137.43,72.78) ; v1(137.43,79.57) 137.49,79.63 144.55,79.63 U17.23
  Bottom w0.127: v1(73.78,108.25) v1(73.78,111.42) ; v1(137.43,79.57) v1(137.43,72.78) ; v1(143.58,107.94) 143.58,80.6 U17.23 ; v1(67.17,108.25) 67.17,108.25 v1(67.17,104.61) ; v1(120.69,108.05) v1(120.69,112.69)
vref: length 32.7
  Top w0.127: U23.13 100.47,129.8 94.92,129.8 JP1.2 ; J22.1 88.43,148.91 93.38,148.91 v1(93.56,149.1)
  Bottom w0.127: v1(93.56,149.1) 93.55,149.08 JP1.2
WR#: length 368
  Top w0.127: v1(73.39,29.91) 73.48,29.82 116.19,29.82 118.32,31.95 122.72,31.95 J1.2 124.68,29.99 150.76,29.99 U4.29 152.66,29.91 169.1,29.91 U5.29 171.08,29.91 187.52,29.91 U6.29 189.5,29.91 205.94,29.91 U7.29 207.92,29.91 v1(218.29,29.91) 224.36,29.91 U8.29 ; U18.5 75.05,41.04 v1(82.49,41.04) ; J20.58 12.41,108.64 30.64,108.64 J28.46 32.72,108.64 50.96,108.64 J12.58 52.99,108.69 71.33,108.69 J21.58 72.33,109.7 v1(79.84,109.7)
  Bottom w0.127: v1(73.39,29.91) 73.19,30.11 73.19,39.17 U18.5 ; v1(218.29,29.91) 218.3,29.91 218.3,80.39 U9.22 ; v1(82.49,41.04) 82.48,41.05 82.48,102.39 79.84,105.03 v1(79.84,109.7)
yCLK: length 10.7
  Bottom w0.127: X3.5 90.27,57.67 U18.24
YMFEN: length 426.8
  Top w0.127: v1(85.74,18.87) 84.78,19.83 D15.1 ; v1(76.73,34.35) 76.81,34.42 v1(83.44,34.42) v1(85.04,34.42) 120.07,34.42 121.37,35.73 126.92,35.73 127.9,34.75 151.83,34.75 151.84,34.74 163.47,34.74 163.66,34.55 165.14,34.55 165.3,34.7 200.8,34.7 v1(200.97,34.87) ; J20.11 9.87,169.15 48.42,169.15 J12.11 50.46,169.11 68.78,169.11 J21.11 70.84,169.17 v1(80.25,169.17)
  Bottom w0.127: 201.15,36.94 201.15,36.85 ; 201.15,36.94 201.15,35.06 v1(200.97,34.87) ; 201.15,36.94 201.15,103.9 U9.77 ; v1(85.74,18.87) 85.04,19.56 v1(85.04,34.42) ; U18.7 76.62,34.35 v1(76.73,34.35) ; v1(83.44,34.42) 83.44,102.22 80.28,105.38 80.28,169.14 v1(80.25,169.17)
Net-(BT1-Pad1): length 4.3
  Top w0.127: R54.2 14.23,58.9 BT1.1
Net-(C32-Pad1): length 15.2
  Bottom w0.127: C32.1 49.93,55.71 49.93,63.24 R65.2
Net-(C32-Pad2): length 5.9
  Top w0.127: R61.1 43.09,49.83 U20.8
  Bottom w0.127: C32.2 U20.8
Net-(C37-Pad1): length 16.7
  Bottom w0.127: C37.1 51.14,64.53 R66.2
Net-(C37-Pad2): length 26.4
  Top w0.127: v1(48.45,34.13) 48.25,33.93 U20.14 43.09,33.93 R62.1
  Bottom w0.127: v1(48.45,34.13) 48.64,34.32 C37.2
Net-(C40-Pad1): length 15.8
  Top w0.127: U21.7 70.47,67.63 R22.1 72.96,67.12 C40.1
  Top w0.254: C42.2 63.71,72.54 U21.7
Net-(C41-Pad1): length 12.4
  Bottom w0.127: U21.1 60.75,70.17 R23.1 58.28,72.36 C41.1
  Bottom w0.254: C43.2 61.49,70.66 U21.1
Net-(C42-Pad1): length 253.7
  Top w0.254: v1(6.73,80.86) 6.92,80.66 60.77,80.66 C42.1 ; v1(6.73,177.03) 12.7,177.03 14.16,178.48 46.58,178.48 48.14,176.92 75.33,176.92 76.21,177.81 97.48,177.81 100.04,175.25 J11.T
  Bottom w0.254: v1(6.73,177.03) v1(6.73,80.86)
Net-(C43-Pad1): length 259.3
  Top w0.254: 7.27,174.51 6.75,174.51 ; 7.27,174.51 v1(6.22,174.51) ; 7.27,174.51 29.06,174.51 31.26,176.71 39.17,176.71 41.36,174.51 49.66,174.51 ; 49.66,174.51 44.99,174.51 ; 49.66,174.51 75.59,174.51 78.5,177.42 95.66,177.42 J11.R ; v1(6.26,79.82) 59.4,79.82 C43.1
  Bottom w0.254: v1(6.22,174.51) 6.22,79.87 v1(6.26,79.82)
Net-(C44-Pad1): length 20.5
  Top w0.127: v1(53.13,35.93) U19.15
  Bottom w0.127: U20.3 53.13,37.25 v1(53.13,35.93)
  Bottom w0.25: U19.15 62.4,34.54 C44.1
Net-(C83-Pad2): length 4.5
  Top w0.127: C83.2 Y1.1
  Bottom w0.127: Y1.1 36.55,73.44 U22.1
Net-(C84-Pad2): length 4.6
  Top w0.127: C84.2 34.61,75.57 Y1.2
  Bottom w0.127: U22.2 34.65,73.57 Y1.2
Net-(C87-Pad1): length 46.3
  Top w0.127: R63.2 48.15,57.4 46.56,55.81 v1(34.81,55.81) ; v1(34.81,29.3) 34.79,29.33 C87.1
  Bottom w0.127: v1(34.81,29.3) v1(34.81,55.81)
Net-(C87-Pad2): length 6.7
  Bottom w0.127: C87.2 25.59,31.3 R59.1 23.08,33.93 U14.1
Net-(C88-Pad1): length 43.6
  Top w0.127: v1(45.4,56.25) 24.7,56.25 C88.1
  Bottom w0.127: R64.2 45.4,69.11 v1(45.4,56.25)
Net-(C88-Pad2): length 5.6
  Top w0.127: C88.2 23.04,51.73 R60.1
  Bottom w0.127: U14.7 22.86,49.18 C88.2
Net-(C91-Pad1): length 34.9
  Top w0.127: C91.1 22.72,56.91 35.32,56.91 ; 35.32,56.91 44.49,56.91 R71.2 ; 35.32,56.91 36.16,56.91
Net-(C91-Pad2): length 5.5
  Top w0.127: C91.2 12.74,51.91 R69.1
  Bottom w0.127: U14.8 15.22,49.18 C91.2
Net-(C92-Pad1): length 82.4
  Top w0.127: v1(35.25,30.35) 35.23,30.32 9.11,30.32 C92.1 ; v1(44.85,55.37) 44.83,55.36 v1(35.25,55.36)
  Bottom w0.127: v1(44.85,55.37) 44.85,70.73 R72.2 ; v1(35.25,55.36) v1(35.25,30.35)
Net-(C92-Pad2): length 6.8
  Bottom w0.127: C92.2 12.41,31.12 R70.1 15.05,33.93 U14.14
Net-(D1-Pad2): length 4.7
  Bottom w0.254: 227.51,137.73 J19.9 227.52,137.74 D1.2
Net-(D2-Pad2): length 2.3
  Top w0.127: R28.2 124.27,50.74 D2.2
Net-(D3-Pad2): length 1.9
  Top w0.127: D3.2 R29.2
Net-(D4-Pad2): length 2.1
  Top w0.127: D4.2 R30.2
Net-(D5-Pad1): length 3.2
  Bottom w0.127: D5.1 182.17,142.65 U15.19
Net-(D6-Pad1): length 6.1
  Bottom w0.127: U15.11 158.61,149.05 D6.1
Net-(D7-Pad1): length 3.2
  Bottom w0.127: D7.1 163.4,70.94 U16.21
Net-(D7-Pad2): length 5.3
  Bottom w0.127: J6.2 158.32,69.38 D7.2
Net-(D8-Pad1): length 3.2
  Bottom w0.127: U17.21 144.96,70.98 D8.1
Net-(D9-Pad2): length 2
  Top w0.127: 197.12,20.58 R31.2
Net-(D10-Pad2): length 2.1
  Top w0.127: D10.2 R32.2
Net-(D11-Pad2): length 4
  Top w0.127: R33.2 232.62,18.19 D11.2
Net-(D12-Pad2): length 10.5
  Top w0.127: D12.2 157.26,72.59 R34.2
Net-(D13-Pad2): length 9.1
  Top w0.127: D13.2 133.87,72.84 127.09,72.84 R35.2
Net-(D14-Pad2): length 2.1
  Top w0.127: D14.2 202.34,13.32 R73.2
Net-(D15-Pad2): length 2.1
  Top w0.127: D15.2 R37.2
Net-(D16-Pad2): length 2.2
  Top w0.127: D16.2 241.16,125.04 R38.2
Net-(D19-Pad2): length 2.2
  Top w0.127: D19.2 170.8,13.33 R41.2
Net-(D20-Pad2): length 1.8
  Top w0.127: R42.2 D20.2
Net-(D23-Pad2): length 2.9
  Top w0.127: D23.2 193.67,15.3 R45.1
Net-(D24-Pad2): length 1.9
  Top w0.127: R47.1 D24.2
Net-(D25-Pad2): length 1.9
  Top w0.127: R49.1 D25.2
Net-(D26-Pad2): length 1.9
  Top w0.127: R51.1 D26.2
Net-(D27-Pad1): length 12.1
  Top w0.127: U22.3 24.17,65.63 D27.1
Net-(D27-Pad2): length 3.9
  Bottom w0.127: R54.1 20.79,58.59 D27.2
Net-(J1-Pad1): length 14.3
  Bottom w0.127: U3.31 126.99,28.63 J1.1 124.87,30 124.87,33.92 R4.2
Net-(J9-Pad1): length 15.5
  Top w0.127: R8.2 49.65,64.28 49.65,75.94 J9.1
Net-(J9-Pad3): length 9.7
  Bottom w0.127: R18.2 50.74,72.26 50.74,74.39 J9.3
Net-(J13-Pad18): length 11.2
  Top w0.254: v1(93.79,155.72) 93.79,154.15 JP3.2
  Bottom w0.254: J13.18 91.06,158.45 v1(93.79,155.72)
Net-(J15-Pad1): length 15.3
  Top w0.127: J15.1 137.35,4.08 125.18,4.08 R74.1
Net-(J15-Pad3): length 7.5
  Top w0.127: R75.1 142.75,7.1 137.84,7.1 J15.3
Net-(J16-Pad1): length 8.4
  Top w0.127: R58.2 118.25,161.28 v1(117.59,160.62)
  Bottom w0.127: J16.1 116.84,161.38 v1(117.59,160.62)
Net-(J16-Pad8): length 5.9
  Top w0.127: v1(108.96,162.15) 108.95,162.15 R43.2
  Bottom w0.127: v1(108.96,162.15) 108.96,166.59 J16.8
Net-(Q1-Pad1): length 7.5
  Top w0.127: R45.2 188.99,15.37 187.21,13.59 Q1.1
Net-(Q1-Pad2): length 6.2
  Top w0.127: Q1.2 180.02,14.86 R46.2
Net-(Q2-Pad1): length 3.2
  Top w0.127: R47.2 47.38,82.16 Q2.1
Net-(Q2-Pad2): length 4.1
  Top w0.127: Q2.2 44.2,83.44 R48.2
Net-(Q3-Pad1): length 15.3
  Top w0.127: Q3.1 35.9,92.63 37,91.53 40.06,91.53 R49.2
Net-(Q3-Pad2): length 5.9
  Top w0.127: v1(35.93,96.89) 36.01,96.97 R50.2
  Bottom w0.127: Q3.2 37.17,95.65 v1(35.93,96.89)
Net-(Q4-Pad1): length 7.8
  Top w0.127: R51.2 46.98,87.5 42.43,92.04 Q4.1
Net-(Q4-Pad2): length 5.8
  Top w0.127: v1(42.38,96.89) 42.46,96.97 R52.2
  Bottom w0.127: v1(42.38,96.89) 43.7,95.57 Q4.2
Net-(Q7-Pad2): length 4.8
  Top w0.127: R36.1 214.03,14.8 210.3,14.8
Net-(R12-Pad1): length 5.7
  Top w0.127: R12.1 R61.2
  Bottom w0.127: U20.9 42.92,46.63 R61.2
Net-(R19-Pad1): length 5
  Top w0.127: U14.2 22.87,36.49 R59.2 R19.1
Net-(R20-Pad1): length 5.2
  Top w0.127: R20.1 40.98,36.95 R62.2 43.3,36.92 U20.13
Net-(R21-Pad1): length 5.1
  Top w0.127: U14.6 25.64,46.63 R60.2 R21.1
Net-(R24-Pad1): length 10.3
  Top w0.127: U20.7 56.28,49.17 R24.1
  Bottom w0.127: U20.6 U20.7
Net-(R24-Pad2): length 2.7
  Top w0.127: U19.11 R24.2
Net-(R36-Pad2): length 101.1
  Top w0.127: R36.2 214.79,16.07 v1(217.11,16.07) ; U9.80 217.1,103.26 v1(217.13,103.29)
  Bottom w0.127: v1(217.11,16.07) 217.13,16.1 v1(217.13,103.29)
Net-(R53-Pad1): length 3.1
  Top w0.127: R53.1 U22.7
Net-(R67-Pad1): length 4.9
  Top w0.127: U14.9 12.54,46.63 R69.2 R67.1
Net-(R68-Pad1): length 5.1
  Top w0.127: R68.1 R70.2 12.51,36.47 U14.13
Net-(U18-Pad19): length 27
  Top w0.127: v1(88.2,44.45) 77.1,44.45 76.84,44.71 69.78,44.71 U19.5
  Bottom w0.127: v1(88.2,44.45) 88.2,40.55 U18.19
Net-(U18-Pad20): length 25.6
  Top w0.127: v1(88.64,45.34) 77.24,45.34 76.91,45 69.72,45 U19.6
  Bottom w0.127: U18.20 88.64,42.65 v1(88.64,45.34)
Net-(U18-Pad21): length 23.2
  Top w0.127: U18.21 88.4,43.56 v1(87.76,42.92) ; v1(87.76,42.04) 69.65,42.04 U19.4
  Bottom w0.127: v1(87.76,42.04) v1(87.76,42.92)
Net-(U18-Pad23): length 33.9
  Top w0.127: U19.2 69.63,34.93 87.1,34.93 v1(87.23,35.06)
  Bottom w0.127: v1(87.23,35.06) 87.23,45.62 90.25,48.64 U18.23
Net-(U19-Pad12): length 10.5
  Top w0.127: U20.5 52.71,42.75 60.21,42.75 U19.12

## Copper pours and planes (outline as drawn; the poured copper is in the pictures)
+5V on In2.Cu: 243.96,0.04 0.04,0.04 0.04,183.3 243.96,183.3
GND on Top: 243.96,0.04 0.04,0.04 0.04,183.3 243.96,183.3
GND on Bottom: 243.96,0.04 0.04,0.04 0.04,183.3 243.96,183.3
GND on In1.Cu: 243.96,0.04 0.04,0.04 0.04,183.3 243.96,183.3

## Text on the board
Top: JBX16
F.SilkS: Data | A0-A15 | Bank/CPLD | HDMI V | Standby | 5v | 3.3v | SCLK | +3.3 | -12 | GND | A11 | A13 | A15 | A17 | A19 | A21 | A23 | ~{IRQ} | ~{NMI} | SDA | ~{VIA1} | ~{RAM} | ~{HR2} | ~{HR0} | ~{YM} | D7 | D5 | D3 | D1 | A1 | A3 | A5 | A7 | A9 | AD | ~{BE} | ~{RD} | ~{IO} | +5 | - | D6 | D4 | D2 | D0 | A0 | A2 | A4 | A6 | A8 | DD | R~{W} | ~{RDY} | ~{RST} | A10 | A12 | A14 | A16 | A18 | A20 | A22 | ~{WR} | +12 | SCL | ~{ROM} | ~{HR3} | ~{HR1} | ~{VIA0} | ~{UART} | CPLD | VCLK | +5 STBY | DIS | EN | SNES / P3/P4 | MERC | VERA | MERC ADC | $0000 / $0001 / $0002-$9EFF / $9F00-$9FFF / $A000-$BFFF / $C000-$FFFF | $9F00-$9F0F / $9F10-$9F1F / $9F20-$9F3F / $9F40-$9F41 / $9F42-$9FFF | RAM BANK / ROM BANK / RAM / IO / BANKED RAM / ROM | VIA 0 / VIA 1 / VERA / YM / OPEN | JBX16
